# Altium PCB PROC106B.PcbDoc (part 2 of 8) (continued)
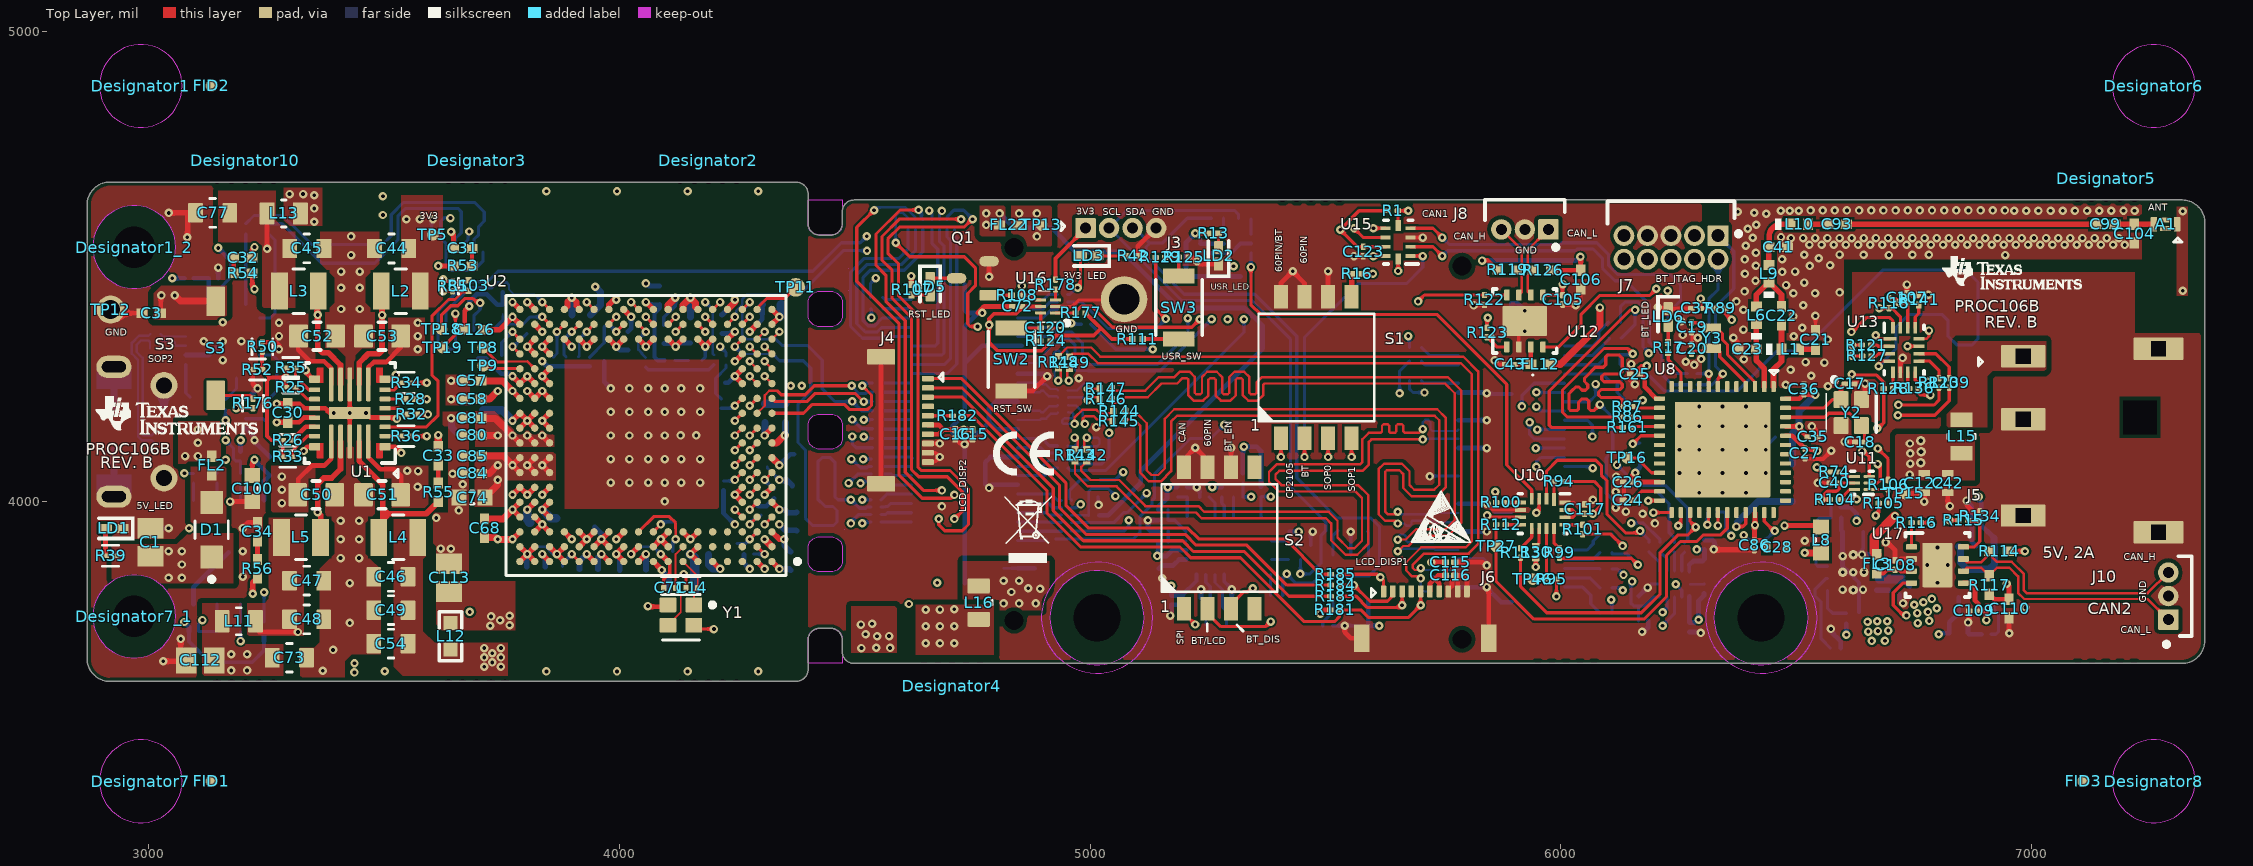
[diagram p0: Top Layer view]
## Footprints (in the part's own frame and the unit in brackets; to place one, negate y for a bottom-side part, rotate by r counter-clockwise, add the part's x,y. Pads: shape width x height; smd on the part's side, far side on the other; paste and mask are expansions set on the pad) (continued)
  body extent -20,-10 20,10, height 16
FP-CX2016DB48000C0WPLA2_SMD4-MFG [mm]
  rrect13% 0.9x0.8 smd paste+0 mask+0: 1(-0.7,-0.55) 2(0.7,-0.55) 3(0.7,0.55) 4(-0.7,0.55)
  silkscreen extent -1.9,-1.35 1.05,1.35, body extent -1.25,-1.05 1.25,1.05, height 0.25
FP-ERA-1AEB103C_0201-IPC_C [mil]
  rrect38% 13.94x10.34 smd paste+0 mask+0: 1(-10.01,0) 2(10.01,0)
  silkscreen extent -17,-22 17,22, body extent -12,-6 12,6, height 10
FP-ERJ-1GNF33R2C_0201-IPC_C [mil]
  rrect38% 13.94x10.34 smd paste+0 mask+0: 1(-10.01,0) 2(10.01,0)
  silkscreen extent -17,-22 17,22, body extent -12,-6 12,6, height 10
FP-ERJ-1GNF1003C_0201-IPC_C [mil]
  rrect38% 13.94x10.34 smd paste+0 mask+0: 1(-10.01,0) 2(10.01,0)
  silkscreen extent -17,-22 17,22, body extent -12,-6 12,6, height 10
FP-ERJ-1GNF1961C_0201-IPC_C [mil]
  rrect38% 13.94x10.34 smd paste+0 mask+0: 1(-10.01,0) 2(10.01,0)
  silkscreen extent -17,-22 17,22, body extent -21,-10 21,10, height 10
FP-ERJ-1GNF4701C_0201-IPC_C [mil]
  rrect38% 13.94x10.34 smd paste+0 mask+0: 1(-10.01,0) 2(10.01,0)
  body extent -12,-6 12,6, height 10
FP-ERJ-1GNF4991C_0201-IPC_C [mil]
  rrect38% 13.94x10.34 smd paste+0 mask+0: 1(-10.01,0) 2(10.01,0)
  silkscreen extent -17,-22 17,12, body extent -21,-10 21,10, height 10
FP-ERJ-1GNF7871C_0201-IPC_C [mil]
  rrect38% 13.94x10.34 smd paste+0 mask+0: 1(-10.01,0) 2(10.01,0)
  silkscreen extent -17,-12 17,12, body extent -12,-6 12,6, height 10
FP-ERJ-1GNF8252C_0201-IPC_C [mil]
  rrect38% 13.94x10.34 smd paste+0 mask+0: 1(-10.01,0) 2(10.01,0)
  silkscreen extent -17,-12 17,12, body extent -12,-6 12,6, height 10
FP-ERJ-1GNJ102C_0201-IPC_C [mil]
  rrect38% 13.94x10.34 smd paste+0 mask+0: 1(-10.01,0) 2(10.01,0)
  silkscreen extent -17,-22 17,22, body extent -21,-10 21,10, height 10
FP-ERJ-1GNJ221C_0201-IPC_C [mil]
  rrect38% 13.94x10.34 smd paste+0 mask+0: 1(-10.01,0) 2(10.01,0)
  silkscreen extent -17,-22 17,22, body extent -12,-6 12,6, height 10
FP-ERJ-1GNJ511C_0201-IPC_C [mil]
  rrect38% 13.94x10.34 smd paste+0 mask+0: 1(-10.01,0) 2(10.01,0)
  silkscreen extent -17,-22 17,22, body extent -21,-10 21,10, height 10
FP-ERJ-1GNJ751C_0201-IPC_C [mil]
  rrect38% 13.94x10.34 smd paste+0 mask+0: 1(-10.01,0) 2(10.01,0)
  silkscreen extent -17,-12 17,12, body extent -12,-6 12,6, height 10
FP-EXB-18VR000X_0502-MFG [mm]
  rrect57% 0.175x0.3 smd paste+0 mask+0: 1(-0.6,-0.275) 2(-0.2,-0.275) 3(0.2,-0.275) 4(0.6,-0.275) 5(0.6,0.275) 6(0.2,0.275) 7(-0.2,0.275) 8(-0.6,0.275)
  body extent -0.7,-0.3 0.7,0.3, height 0.45
FP-FW4000044Q_4-SMD-2.0x1.6mm-MFG [mm]
  rrect13% 0.9x0.8 smd paste+0 mask+0: 1(-0.7,-0.55) 2(0.7,-0.55) 3(0.7,0.55) 4(-0.7,0.55)
  silkscreen extent -1.83,-1.1 1,1.35, body extent -1.25,-1.05 1.25,1.05, height 0.25
"FP-GRM033R6YA104KE14D_0201 (0603 Metric)-IPC_C" [mil]
  rrect38% 13.94x10.34 smd paste+0 mask+0: 1(-10.01,0) 2(10.01,0)
  body extent -12,-6 12,6, height 13
"FP-GRM0335C1H8R0BA01D_0201 (0603 metric)-IPC_C" [mil]
  rrect38% 13.94x10.34 smd paste+0 mask+0: 1(-10.01,0) 2(10.01,0)
  body extent -21,-10 21,10, height 10
FP-GRPB052MWCN-RC_HDR10-MFG [mm]
  rrect9% 1.12x1.12 hole 0.7 paste-1000 mask+0: 1(-2.54,1.15)
  round 1.12 hole 0.7 paste-1000 mask+0: 2(-2.54,2.42) 3(-1.27,1.15) 4(-1.27,2.42) 5(0,1.15) 6(0,2.42) 7(1.27,1.15) 8(1.27,2.42) 9(2.54,1.15) 10(2.54,2.42)
  silkscreen extent -3.77,-0.7 3.42,1.17, body extent -3.18,-3.5 3.18,2.62, height 3.4
FP-M50-3930342_HDR3-MFG [mm]
  rrect9% 1.1x1.1 hole 0.6 paste-1000 mask+0: 1(-1.27,1)
  round 1.1 hole 0.6 paste-1000 mask+0: 2(0,1) 3(1.27,1)
  silkscreen extent -2.15,-0.6 2.15,2.09, body extent -1.91,-4.5 1.91,1.2, height 2.3
FP-M50-3930442_HDR4-RECOMMENDED_LAND_PATTERN [mm]
  rrect9% 1.1x1.1 hole 0.6 paste-1000 mask+0: 1(-1.905,1)
  round 1.1 hole 0.6 paste-1000 mask+0: 2(-0.635,1) 3(0.635,1) 4(1.905,1)
  body extent -2.54,-4.5 2.54,1.2, height 2.3
FP-MPZ2012S101ATD25_0805-MFG [mm]
  rrect13% 0.8x1.2 smd paste+0 mask+0: 1(-0.9,0) 2(0.9,0)
  silkscreen extent -0.13,-0.72 0.13,0.72, body extent -1.4,-0.82 1.4,0.82, height 0.25
FP-NRVB230LSFT1G_SOD-123F-MFG [mm]
  rrect8% 1.25x1.22 smd paste+0 mask+0: 1(-1.475,0) 2(1.475,0)
  silkscreen extent -2.8,-0.9 0.48,0.9, body extent -2.2,-1 2.2,1, height 0.25
"FP-RC0201JR-070RL_0201 (0603 Metric)-IPC_C" [mil]
  rrect38% 13.94x10.34 smd paste+0 mask+0: 1(-10.01,0) 2(10.01,0)
  body extent -12,-6 12,6, height 10
"FP-RC0201JR-070RL_0201 (0603 METRIC)-IPC_C" [mil]
  rrect38% 13.94x10.34 smd paste+0 mask+0: 1(-10.01,0) 2(10.01,0)
  body extent -12,-6 12,6, height 10
"FP-RC0201JR-070RL_0201 (0603 Metric)-MFG" [mm]
  rrect29% 0.35x0.4 smd paste+0 mask+0: 1(-0.325,0) 2(0.325,0)
  body extent -0.3,-0.15 0.3,0.15, height 0.26
FP-RR0306P-103-D_0201-IPC_C#1 [mil]
  rrect37% 13.31x10.73 smd paste+0 mask+0: 1(-10.52,0) 2(10.52,0)
  body extent -12,-6 12,6, height 10
FP-RR0306P-103-D_0201-IPC_C#2 [mil]
  rrect38% 13.94x10.34 smd paste+0 mask+0: 1(-10.52,0)
  rrect37% 13.31x10.73 smd paste+0 mask+0: 2(10.52,0)
  body extent -12,-6 12,6, height 10
IND_LQG15H [mm] "MuRata"
  rect 0.55x0.6 smd: 1(-0.475,0) 2(0.475,0)
  silkscreen extent -1.3,-0.3 -0.95,0.3, body extent -0.52,-0.27 0.52,0.27, height 0.55
MHNP_2-5 [mil]
  round 95 hole 100 unplated mask+5.5: ""(0,0)
  Keep-Out Layer circle w1: c0,0 r100
MHNP_M2_PANHEAD_PHILLIPS [mil]
  round 83 hole 88 unplated mask+5.5: ""(0,0)
  Keep-Out Layer circle w1: c0,0 r88
RGZ0048A [mm] "VQFN-48"
  rrect42% 0.6x0.24 smd: 1(-3.4,2.75) 2(-3.4,2.25) 3(-3.4,1.75) 4(-3.4,1.25) 5(-3.4,0.75) 6(-3.4,0.25) 7(-3.4,-0.25) 8(-3.4,-0.75) 9(-3.4,-1.25) 10(-3.4,-1.75) 11(-3.4,-2.25) 12(-3.4,-2.75) 25(3.4,-2.75) 26(3.4,-2.25) 27(3.4,-1.75) 28(3.4,-1.25) 29(3.4,-0.75) 30(3.4,-0.25) 31(3.4,0.25) 32(3.4,0.75) 33(3.4,1.25) 34(3.4,1.75) 35(3.4,2.25) 36(3.4,2.75)
  rrect42% 0.24x0.6 smd: 13(-2.75,-3.4) 14(-2.25,-3.4) 15(-1.75,-3.4) 16(-1.25,-3.4) 17(-0.75,-3.4) 18(-0.25,-3.4) 19(0.25,-3.4) 20(0.75,-3.4) 21(1.25,-3.4) 22(1.75,-3.4) 23(2.25,-3.4) 24(2.75,-3.4) 37(2.75,3.4) 38(2.25,3.4) 39(1.75,3.4) 40(1.25,3.4) 41(0.75,3.4) 42(0.25,3.4) 43(-0.25,3.4) 44(-0.75,3.4) 45(-1.25,3.4) 46(-1.75,3.4) 47(-2.25,3.4) 48(-2.75,3.4)
  rrect2% 5.15x5.15 smd paste-2.6: 49(0,0)
  body extent -3.5,-3.5 3.5,3.5, height 1
RNF0026C [mm] "QFN, 26-Leads, Body 4x4.5mm, Pitch 0.5mm"
  rrect25% 0.6x0.4 smd paste-0.3: 1(-1.9,1.825) 8(-1.9,-1.825) 14(1.9,-1.825) 21(1.9,1.825)
  rrect40% 0.6x0.25 smd paste+0: 2(-1.9,1.25) 3(-1.9,0.75) 4(-1.9,0.25) 5(-1.9,-0.25) 6(-1.9,-0.75) 7(-1.9,-1.25) 15(1.9,-1.25) 16(1.9,-0.75) 17(1.9,-0.25) 18(1.9,0.25) 19(1.9,0.75) 20(1.9,1.25)
  rrect40% 0.25x1.82 smd paste-1: 9(-1,-1.54) 10(-0.5,-1.54) 11(0,-1.54) 12(0.5,-1.54) 13(1,-1.54) 22(1,1.54) 23(0.5,1.54) 24(0,1.54) 25(-0.5,1.54) 26(-1,1.54)
  rrect15% 2.24x0.66 smd paste-1: 27(0,0)
  rrect33% 0.6x0.3 on Top Paste: ""(-1.9,1.775) ""(-1.9,-1.775) ""(1.9,1.775) ""(1.9,-1.775)
  rrect33% 0.3x0.825 on Top Paste: ""(-1.575,2.037) ""(-1.575,-2.037) ""(1.575,2.037) ""(1.575,-2.037)
  rrect40% 0.25x0.81 on Top Paste: ""(-1,1.035) ""(-1,2.045) ""(-1,-2.045) ""(-1,-1.035) ""(-0.5,2.045) ""(-0.5,1.035) ""(-0.5,-1.035) ""(-0.5,-2.045) ""(0,2.045) ""(0,1.035) ""(0,-1.035) ""(0,-2.045) ""(0.5,2.045) ""(0.5,1.035) ""(0.5,-1.035) ""(0.5,-2.045) ""(1,1.035) ""(1,2.045) ""(1,-2.045) ""(1,-1.035)
  rrect15% 0.98x0.66 on Top Paste: ""(-0.59,0) ""(0.59,0)
  Top Layer region: -1.775,1.675 -1.775,2.4 -1.771,2.419 -1.76,2.435 -1.744,2.446 -1.725,2.45 -1.725,2.45 -1.475,2.45 -1.456,2.446 -1.44,2.435 -1.429,2.419 -1.425,2.4 -1.425,2.4 -1.425,1.675 -1.429,1.656 -1.44,1.64 -1.456,1.629 -1.475,1.625 -1.475,1.625 -1.725,1.625 -1.744,1.629 -1.76,1.64 -1.771,1.656 -1.775,1.675
  Top Layer region: 1.425,1.675 1.425,2.4 1.429,2.419 1.44,2.435 1.456,2.446 1.475,2.45 1.475,2.45 1.725,2.45 1.744,2.446 1.76,2.435 1.771,2.419 1.775,2.4 1.775,2.4 1.775,1.675 1.771,1.656 1.76,1.64 1.744,1.629 1.725,1.625 1.725,1.625 1.475,1.625 1.456,1.629 1.44,1.64 1.429,1.656 1.425,1.675
  Top Layer region: 1.425,-2.4 1.425,-1.675 1.429,-1.656 1.44,-1.64 1.456,-1.629 1.475,-1.625 1.475,-1.625 1.725,-1.625 1.744,-1.629 1.76,-1.64 1.771,-1.656 1.775,-1.675 1.775,-1.675 1.775,-2.4 1.771,-2.419 1.76,-2.435 1.744,-2.446 1.725,-2.45 1.725,-2.45 1.475,-2.45 1.456,-2.446 1.44,-2.435 1.429,-2.419 1.425,-2.4
  Top Layer region: -1.775,-2.4 -1.775,-1.675 -1.771,-1.656 -1.76,-1.64 -1.744,-1.629 -1.725,-1.625 -1.725,-1.625 -1.475,-1.625 -1.456,-1.629 -1.44,-1.64 -1.429,-1.656 -1.425,-1.675 -1.425,-1.675 -1.425,-2.4 -1.429,-2.419 -1.44,-2.435 -1.456,-2.446 -1.475,-2.45 -1.475,-2.45 -1.725,-2.45 -1.744,-2.446 -1.76,-2.435 -1.771,-2.419 -1.775,-2.4
  silkscreen extent -2.45,-2.7 2.45,2.7, body extent -2,-2.25 2,2.25, height 0.9
RSE0010A [mm] "QFN, 10-Leads, Body 1.5x2mm, Pitch 0.5mm, TI Recommended"
  rect 0.55x0.2 smd: 1(-0.675,0.75) 2(-0.675,0.25) 3(-0.675,-0.25) 4(-0.675,-0.75) 6(0.675,-0.75) 7(0.675,-0.25) 8(0.675,0.25) 9(0.675,0.75)
  rect 0.3x0.6 smd: 5(0,-0.9) 10(0,0.9)
  silkscreen extent -1.07,-1.17 0.77,1.18, body extent -0.77,-1.02 0.78,1.03, height 0.61
RSV0016A [mm] "QFN, 16-Leads, Body 1.8x2.6mm, Pitch 0.4mm, TI Recommended"
  rect 0.7x0.2 smd: 1(-0.75,0.6)
  rect 0.6x0.2 smd: 2(-0.8,0.2) 3(-0.8,-0.2) 4(-0.8,-0.6) 9(0.8,-0.6) 10(0.8,-0.2) 11(0.8,0.2) 12(0.8,0.6)
  rect 0.2x0.6 smd: 5(-0.6,-1.2) 6(-0.2,-1.2) 7(0.2,-1.2) 8(0.6,-1.2) 13(0.6,1.2) 14(0.2,1.2) 15(-0.2,1.2) 16(-0.6,1.2)
  silkscreen extent -1.08,-1.33 1.08,1.45, body extent -0.92,-1.32 0.92,1.33, height 0.56
RUT0012A [mm] "QFN, 12-Leads, Body 1.7x2mm, Pitch 0.4mm, TI Recommended"
  rrect50% 0.7x0.2 smd: 1(-0.7,0.8) 2(-0.7,0.4) 3(-0.7,0) 4(-0.7,-0.4) 5(-0.7,-0.8) 7(0.7,-0.8) 8(0.7,-0.4) 9(0.7,0) 10(0.7,0.4) 11(0.7,0.8)
  rrect50% 0.2x0.7 smd: 6(0,-0.85) 12(0,0.85)
  silkscreen extent -0.9,-1.2 0.9,1.2, body extent -0.85,-1 0.85,1, height 0.55
Samtec_QSH-030-01-X-D-A [mm] "Receptacle, 0.5 mm, 30x2, TH"
  rect 2.27x0.279 smd: 1(-2.865,7.25) 2(2.865,7.25) 3(-2.865,6.75) 4(2.865,6.75) 5(-2.865,6.25) 6(2.865,6.25) 7(-2.865,5.75) 8(2.865,5.75) 9(-2.865,5.25) 10(2.865,5.25) 11(-2.865,4.75) 12(2.865,4.75) 13(-2.865,4.25) 14(2.865,4.25) 15(-2.865,3.75) 16(2.865,3.75) 17(-2.865,3.25) 18(2.865,3.25) 19(-2.865,2.75) 20(2.865,2.75) 21(-2.865,2.25) 22(2.865,2.25) 23(-2.865,1.75) 24(2.865,1.75) 25(-2.865,1.25) 26(2.865,1.25) 27(-2.865,0.75) 28(2.865,0.75) 29(-2.865,0.25) 30(2.865,0.25) 31(-2.865,-0.25) 32(2.865,-0.25) 33(-2.865,-0.75) 34(2.865,-0.75) 35(-2.865,-1.25) 36(2.865,-1.25) 37(-2.865,-1.75) 38(2.865,-1.75) 39(-2.865,-2.25) 40(2.865,-2.25) 41(-2.865,-2.75) 42(2.865,-2.75) 43(-2.865,-3.25) 44(2.865,-3.25) 45(-2.865,-3.75) 46(2.865,-3.75) 47(-2.865,-4.25) 48(2.865,-4.25) 49(-2.865,-4.75) 50(2.865,-4.75) 51(-2.865,-5.25) 52(2.865,-5.25) 53(-2.865,-5.75) 54(2.865,-5.75) 55(-2.865,-6.25) 56(2.865,-6.25) 57(-2.865,-6.75) 58(2.865,-6.75) 59(-2.865,-7.25) 60(2.865,-7.25)
  round 0 hole 1.02 unplated: MH1(2.67,10.065) MH2(2.67,-10.065)
  rect 0.43x2.54 smd: MP1(0,8.065) MP4(0,-8.065)
  rect 0.43x4.7 smd: MP2(0,3.175) MP3(0,-3.175)
  silkscreen extent -3.9,-10.66 3.62,10.66, body extent -3.75,-10.64 3.75,10.67, height 3.25
SW_218-4LPST [mil] "CTS Components"
  rect 50x30 smd: 1(-150,75) 2(-150,25) 3(-150,-25) 4(-150,-75) 5(150,-75) 6(150,-25) 7(150,25) 8(150,75)
  silkscreen extent -114,-123 114,123, body extent -166,-123 166,123, height 104
SW_B3U-1000P [mm] "OMRON"
  rect 0.8x1.7 smd: 1(-1.7,0) 2(1.7,0)
  silkscreen extent -1.5,-1.25 1.5,1.25, body extent -1.5,-1.25 1.5,1.25, height 1.75
TP_25MIL-SMT [mil]
  round 25 smd mask-2.5: 1(0,0)
TP_SM_1MM [mm] "1mm Test Point, SMT"
  round 1 smd paste-0.5: 1(0,0)
TP_VIA_060RND040 [mil] "TP_VIA_060RND040"
  round 60 hole 40: 1(0,0)
WSON-8L_6x5MM_EP [mm] "SMD, 8-Leads, Body 6x5mm, Pitch 1.27mm"
  rrect25% 0.8x0.4 smd: 1(-2.8,1.905) 2(-2.8,0.635) 3(-2.8,-0.635) 4(-2.8,-1.905) 5(2.8,-1.905) 6(2.8,-0.635) 7(2.8,0.635) 8(2.8,1.905)
  rrect3% 3.4x4 smd paste-3: 9(0,0)
  rrect50% 1.468x1.698 on Bottom Paste: ""(-0.834,-0.949) ""(-0.834,0.949) ""(0.834,-0.949) ""(0.834,0.949)
  silkscreen extent -3.2,-2.7 3.2,2.7, body extent -3.05,-2.55 3.05,2.55, height 0.8

## Part data
A1: library part CMP-0087189-1, "RF ANT 2.4GHZ CHIP SOLDER SMD", Manufacturer="TDK Corporation", PackageReference=SMT_ANT, PartNumber=ANT016008LCS2442MA2, RoHS=TRUE, SizeZ_mm=0.4mm, Symbol Name=SYM-ANT016008LCS2442MA2
C1 C4 C50 C51 C52 C53 C55 C59 C62 C65 C70 C76 C78 C82 C112 C113 C121: library part CMP-0008017-2, "CAP, CERM, 10 uF, 10 V, +/- 10%, X7R, 0805", Cap_Case=0805, Manufacturer=MuRata, Supplier Part Number 1=490-10674-1-ND, TempCo=X7R, Tolerance_%=10%, Value1=Unknown, Value2=10V, ValueDisplayed=10uF, AEC Category=Q200, AEC Qualified=?, Cap_F=10µF, ComponentLink1Description="Datasheet link", ComponentLink1URL=http://www.murata.com/products/catalog/pdf/c03e.pdf, CompType=Capacitor, LatestRevisionDate=2017-03-09, MountType=SMT, PackageReference=0805, PartNumber=GCM21BR71A106KE22L, Polarized=N, Published=2008-06-19, Publisher="Texas Instruments", RoHS=Y, SizeArea_mm2=2.5, SizeAreaWB_mm2=6.75, SizeX_mm=2, SizeY_mm=1.25, SizeZ_mm=1.45, Supplier 1=Digi-Key, Supplier 2=Newark, Supplier 3=Mouser, Supplier Part Number 2=06AC6014, Supplier Part Number 3=81-GCM21BR71A106KE2L, TaMax_C=125°C, TaMin_C=-55°C, Technology=Ceramic, U/M=EA, VDC_V=10V
C2 C3 C91 C92 C101 C126 C130: library part CMP-0006351-2, "CAP, CERM, 0.1 uF, 16 V, +/- 10%, X7R, 0402", Cap_Case=0402, Manufacturer=MuRata, Supplier Part Number 1=490-4759-2-ND, TempCo=X7R, Tolerance_%=10%, Value1=Unknown, Value2=16V, ValueDisplayed=0.1uF, AEC Category=Q200, AEC Qualified=?, Cap_F=100nF, ComponentLink1Description="Datasheet link", ComponentLink1URL=http://psearch.murata.com/capacitor/product/GCM155R71C104KA55%23.pdf, CompType=Capacitor, LatestRevisionDate=2017-03-09, MountType=SMT, PackageReference=0402, PartNumber=GCM155R71C104KA55D, Polarized=N, Published=2008-06-19, Publisher="Texas Instruments", RoHS=Y, SizeArea_mm2=0.5, SizeAreaWB_mm2=3, SizeX_mm=1, SizeY_mm=0.5, SizeZ_mm=0.6, Supplier 1=Digi-Key, TaMax_C=125°C, TaMin_C=-55°C, Technology=Ceramic, U/M=EA, VDC_V=16V
C5 C11 C15 C16 C24 C115 C116 C129: library part CMP-0086446-1, "1µF ±20% 16V Ceramic Capacitor X5R 0201", Manufacturer="Samsung Electro-Mechanics", TempCo=15%, Tolerance_%=20%, AEC Qualified=No, Cap_F=1µF, ComponentLink1Description=Datasheet, ComponentLink1URL=http://www.samsungsem.com/global/front/downloadcms.do?path=%2F%2Fglobal%2F%2Fsupport%2F%2Fproduct-search%2F%2Fmlcc%2F%2F__icsFiles%2F%2Fafieldfile%2F%2F2018%2F%2F06%2F%2F21&fileName=CL03A105MO3NRNH.pdf, PackageReference=0201, PartNumber=CL03A105MO3NRNH, RoHS=TRUE, SizeZ_mm=0.39mm, Symbol Name=SYM-CL03A105MO3NRNH, VDC_V=16V
C6 C9 C10 C12 C13 C25 C26 C27 C35 C36 C37 C40 C43 C72 C86 C105 C107 C108 C109 C114 C117 C118 C119 C120 C123 C127 C128: library part CMP-0086440-1, "Cap Ceramic 0.1uF 35V X5R 10% Pad SMD 0201 85C T/R", Manufacturer="Murata Electronics North America", TempCo=15%, Tolerance_%=10%, AEC Qualified=No, Cap_F=100nF, ComponentLink1Description=Datasheet, ComponentLink1URL=https://search.murata.co.jp/Ceramy/image/img/A01X/G101/ENG/GRM033R6YA104KE14-01.pdf, PackageReference="0201 (0603 Metric)", PartNumber=GRM033R6YA104KE14D, RoHS=TRUE, SizeZ_mm=0.33mm, Symbol Name=SYM-GRM033R6YA104KE14D, VDC_V=35V
C7 C42 C122: library part CMP-0006339-4, "CAP, CERM, 10 uF, 10 V, +/- 20%, X5R, 0402", Cap_Case=0402, Manufacturer="Samsung Electro-Mechanics", TempCo=X5R, Tolerance_%=20%, Value1=Unknown, Value2=10V, ValueDisplayed=10uF, AEC Category=Q200, AEC Grade=N/A, AEC Qualified=N, Cap_F=10µF, ComponentLink1Description="Datasheet link", ComponentLink1URL=http://www.samsungsem.com/kr/support/product-search/mlcc/__icsFiles/afieldfile/2018/06/21/CL05A106MP5NUNC.pdf, CompType=Capacitor, MountType=SMT, PackageReference=0402, PartNumber=CL05A106MP5NUNC, Polarized=N, RoHS=Y, SizeArea_mm2=0.5, SizeAreaWB_mm2=3, SizeX_mm=1, SizeY_mm=0.5, SizeZ_mm=0.6, TaMax_C=85°C, TaMin_C=-55°C, Technology=Ceramic, U/M=EA, VDC_V=10V
C8 C125: library part CMP-0086445-1, "CAP CER 10000PF 25V X5R 0201", Manufacturer="Samsung Electro-Mechanics America, Inc", TempCo=15%, Tolerance_%=10%, AEC Qualified=No, Cap_F=10nF, ComponentLink1Description=Datasheet, ComponentLink1URL=http://www.samsungsem.com/global/front/downloadcms.do?path=%2F%2Fglobal%2F%2Fsupport%2F%2Fproduct-search%2F%2Fmlcc%2F%2F__icsFiles%2F%2Fafieldfile%2F%2F2018%2F%2F06%2F%2F19&fileName=CL03A103KA3NNNC.pdf, PackageReference=0201, PartNumber=CL03A103KA3NNNC, RoHS=TRUE, SizeZ_mm=0.33mm, Symbol Name=SYM-CL03A103KA3NNNC, VDC_V=25V
C14 C71: library part CMP-0090493-1, "Cap Ceramic 4.7pF 50V C0G 0.25pF Pad SMD 0201 125°C Automotive T/R", Manufacturer=TDK, Operating Temperature Range="-55°C to +125°C", TempCo=30ppm/°C, Temperature Characteristic=C0G, ValueDisplayed=4.7pF, AEC Grade="Grade 1", AEC Qualified=Yes, Cap_F=4.7pF, ComponentLink1Description=Datasheet, ComponentLink1URL=https://product.tdk.com/info/en/catalog/spec/mlccspec_automotive_general_en.pdf, DataSheet=https://product.tdk.com/info/en/catalog/spec/mlccspec_automotive_general_en.pdf, Datasheet Path=datasheets/Cap-CGA1A2C0G1H4R7C030BA.pdf, helpURL=https://upverter.com/upn/revision/6d92b1250c1f5160/, Lead Free=Yes, PackageReference=0201, Part Number=CGA1A2C0G1H4R7C030BA, PartNumber=CGA1A2C0G1H4R7C030BA, RoHS=TRUE, SizeZ_mm=0.4mm, VDC_V=50V
C17 C18: library part CMP-0086441-1, "Cap Ceramic 8pF 50V C0G 0.1pF SMD 0201 125°C Paper T/R", Manufacturer=Murata, TempCo=30ppm/°C, AEC Qualified=No, Cap_F=8pF, ComponentLink1Description=Datasheet, ComponentLink1URL=https://search.murata.co.jp/Ceramy/image/img/A01X/G101/ENG/GRM0335C1H8R0BA01-01A.pdf, PackageReference="0201 (0603 metric)", PartNumber=GRM0335C1H8R0BA01D, RoHS=TRUE, SizeZ_mm=0.33mm, Symbol Name=SYM-GRM0335C1H8R0BA01D, VDC_V=50V
C19 C20 C38 C39: library part CMP-0087190-1, "CAP CER 12PF 25V C0G/NP0 0201", Manufacturer="Johanson Technology Inc.", TempCo=30ppm/°C, Tolerance_%=5%, AEC Grade="Grade 1", AEC Qualified=Yes, Cap_F=12pF, ComponentLink1Description=Datasheet, ComponentLink1URL=https://www.johansontechnology.com/downloads/catalog/johanson-technology-multi-layer-high-q-capacitors.pdf, PackageReference=0201, PartNumber=250R05L120JV4T, RoHS=TRUE, SizeZ_mm=0.33mm, Symbol Name=SYM-250R05L120JV4T, VDC_V=25V
C21 C93: library part CMP-0006345-2, "CAP, CERM, 12 pF, 50 V, +/- 5%, C0G/NP0, 0402", Cap_Case=0402, Manufacturer="Samsung Electro-Mechanics", Supplier Part Number 1=1276-1178-1-ND, TempCo=C0G/NP0, Tolerance_%=5%, Value1=Unknown, Value2=50V, ValueDisplayed=12pF, AEC Category=Q200, AEC Grade=N/A, AEC Qualified=N, Cap_F=12pF, ComponentLink1Description="Datasheet link", ComponentLink1URL=http://www.samsungsem.com/servlet/FileDownload?type=spec&file=CL05C120JB5NNNC.pdf, CompType=Capacitor, LatestRevisionDate=2017-03-09, MountType=SMT, PackageReference=0402, PartNumber=CL05C120JB5NNNC, Polarized=N, Published=2008-06-19, Publisher="Texas Instruments", RoHS=Y, SizeArea_mm2=0.5, SizeAreaWB_mm2=3, SizeX_mm=1, SizeY_mm=0.5, SizeZ_mm=0.6, Supplier 1=Digi-Key, TaMax_C=125°C, TaMin_C=-55°C, Technology=Ceramic, U/M=EA, VDC_V=50V
C22 C23 C41: library part CMP-0085178-1, "CAP, CERM, 1 pF, 50 V,+/- 25%, C0G/NP0, AEC-Q200 Grade 1, 0402", Cap_Case=0402, Manufacturer=MuRata, TempCo=C0G/NP0, Tolerance_%=25%, Value2=50V, ValueDisplayed=1pF, AEC Category=Q200, AEC Grade=1, AEC Qualified=Y, Cap_F=1pF, ComponentLink1Description="Datasheet link", ComponentLink1URL=https://psearch.en.murata.com/capacitor/product/GCM1555C1H1R0CA16%23.html, CompType=Capacitor, MountType=SMT, PackageReference=0402, PartNumber=GCM1555C1H1R0CA16D, Polarized=N, RoHS=Y, SizeArea_mm2=0.5, SizeAreaWB_mm2=3, SizeX_mm=1, SizeY_mm=0.5, SizeZ_mm=0.6, TaMax_C=125°C, TaMin_C=-55°C, Technology=Ceramic, U/M=EA, VDC_V=50V
C28 C29: library part CMP-0089043-4, "CAP CER 22UF 6.3V X5R 0402", Manufacturer="Samsung Electro-Mechanics", TempCo=15%, Tolerance_%=20%, ValueDisplayed=22uF, AEC Qualified=No, Cap_F=22µF, ComponentLink1Description=Datasheet, ComponentLink1URL=http://www.samsungsem.com/kr/support/library/product-catalog/__icsFiles/afieldfile/2018/11/28/MLCC.pdf, PackageReference=0402, Part Number=CL05A226MQ5N6J8, PartNumber=CL05A226MQ5N6J8, RoHS=TRUE, SizeZ_mm=0.55mm, VDC_V=6.3V
C30 C56 C57 C58 C60 C61 C63 C64 C66 C67 C68 C80 C81 C84 C85 C87 C88 C94 C95 C96 C97 C98: library part CMP-0078265-1, "CAP, CERM, 0.22 µF, 16 V,+/- 10%, X7R, AEC-Q200 Grade 1, 0402", Cap_Case=0402, Manufacturer=MuRata, Supplier Part Number 1=490-10671-1-ND, TempCo=X7R, Tolerance_%=10%, Value2=16V, ValueDisplayed=0.22µF, AEC Category=Q200, AEC Grade=1, AEC Qualified=Y, Cap_F=220nF, ComponentLink1Description="Datasheet link", ComponentLink1URL=http://psearch.en.murata.com/capacitor/product/GCM155R71C224KE02%23.pdf, CompType=Capacitor, MountType=SMT, PackageReference=0402, PartNumber=GCM155R71C224KE02D, Polarized=N, RoHS=Y, SizeArea_mm2=0.5, SizeAreaWB_mm2=3, SizeX_mm=1, SizeY_mm=0.5, SizeZ_mm=0.6, Supplier 1=Digi-Key, Supplier 2=Mouser, Supplier Part Number 2=81-GCM155R71C224KE2D, TaMax_C=125°C, TaMin_C=-55°C, Technology=Ceramic, U/M=EA, VDC_V=16V
C31 C32 C33 C34: library part CMP-0085511-1, "CAP, CERM, 390 pF, 50 V,+/- 5%, C0G/NP0, AEC-Q200 Grade 1, 0402", Cap_Case=0402, Manufacturer=TDK, TempCo=C0G/NP0, Tolerance_%=5%, Value2=50V, ValueDisplayed=390pF, AEC Category=Q200, AEC Grade=1, AEC Qualified=Y, Cap_F=390pF, ComponentLink1Description="Datasheet link", ComponentLink1URL=https://product.tdk.com/en/search/capacitor/ceramic/mlcc/info?part_no=CGA2B2C0G1H391J050BA, CompType=Capacitor, MountType=SMT, PackageReference=0402, PartNumber=CGA2B2C0G1H391J050BA, Polarized=N, RoHS=Y, SizeArea_mm2=0.5, SizeAreaWB_mm2=3, SizeX_mm=1, SizeY_mm=0.5, SizeZ_mm=0.6, TaMax_C=125°C, TaMin_C=-55°C, Technology=Ceramic, U/M=EA, VDC_V=50V
C44 C45 C46 C47 C48 C49 C54 C73 C75 C77 C111 C124 C131: library part CMP-0091983-1, "22µF ±20% 6.3V Ceramic Capacitor X7T 0805 (2012 Metric)", Digikey Part Number=445-CGA4J1X7T0J226M125ACCT-ND, Manufacturer=TDK, Mouser Part Number=810-CGA4J1X7T0J226M1, Operating Temperature Range="-55°C to +125°C", TempCo=+22/-33%, Temperature Characteristic=X7T, Tolerance_%=20%, ValueDisplayed=22uF, AEC Grade="Grade 1", AEC Qualified=Yes, Cap_F=22µF, ComponentLink1Description=Datasheet, ComponentLink1URL=https://product.tdk.com/en/search/capacitor/ceramic/mlcc/info?part_no=CGA4J1X7T0J226M125AC, DataSheet=https://product.tdk.com/en/search/capacitor/ceramic/mlcc/info?part_no=CGA4J1X7T0J226M125AC, Datasheet Path=datasheets/Cap-CGA4J1X7T0J226M125AC.pdf, Digikey Description="AUTOMOTIVE GRADE,0805,X7T,6.3V,2", helpURL=https://upverter.com/upn/revision/46804438864a26f0/, Lead Free=Yes, PackageReference=0805, Part Number=CGA4J1X7T0J226M125AC, PartNumber=CGA4J1X7T0J226M125AC, RoHS=TRUE, SizeZ_mm=1.55mm, Supplier 1=Digikey, Supplier 2=Mouser, Supplier Part Number 1=445-CGA4J1X7T0J226M125ACCT-ND, Supplier Part Number 2=810-CGA4J1X7T0J226M1, VDC_V=6.3V
C69: library part CMP-0006330-2, "CAP, CERM, 0.047 uF, 50 V, +/- 10%, X7R, AEC-Q200 Grade 1, 0402", Cap_Case=0402, Manufacturer=TDK, Supplier Part Number 1=445-6897-1-ND, TempCo=X7R, Tolerance_%=10%, Value1="0.06407 ohm", Value2=50V, ValueDisplayed=0.047uF, AEC Category=Q200, AEC Grade=1, AEC Qualified=Y, Cap_F=47nF, ComponentLink1Description="Datasheet link", ComponentLink1URL=https://product.tdk.com/en/search/capacitor/ceramic/mlcc/info?part_no=CGA2B3X7R1H473K050BB, CompType=Capacitor, ESR_ohm=0.06407, IRMS_A=6.46122dA, LatestRevisionDate=2017-03-09, MountType=SMT, PackageReference=0402, PartNumber=CGA2B3X7R1H473K050BB, Polarized=N, Published=2008-06-19, Publisher="Texas Instruments", RoHS=Y, SizeArea_mm2=0.5, SizeAreaWB_mm2=3, SizeX_mm=1, SizeY_mm=0.5, SizeZ_mm=0.6, Supplier 1=Digi-Key, Supplier 2=Mouser, Supplier Part Number 2=810-CGA2B3X7R1H473K050BB, TaMax_C=125°C, TaMin_C=-55°C, Technology=Ceramic, U/M=EA, VDC_V=50V
C74 C79 C83 C102 C103: library part CMP-0007134-5, "CAP, CERM, 2.2 uF, 6.3 V, +/- 10%, X7R, AEC-Q200 Grade 1, 0603", Cap_Case=0603, Manufacturer=MuRata, Supplier Part Number 1=490-5316-1-ND, TempCo=X7R, Tolerance_%=10%, Value1=Unknown, Value2=6.3V, ValueDisplayed=2.2uF, AEC Category=Q200, AEC Grade=1, AEC Qualified=Y, Cap_F=2.2µF, ComponentLink1Description="Datasheet link", ComponentLink1URL=http://psearch.en.murata.com/capacitor/product/GCM188R70J225KE22%23.pdf, CompType=Capacitor, LatestRevisionDate=2017-03-09, MountType=SMT, PackageReference=0603, PartNumber=GCM188R70J225KE22D, Polarized=N, Published=2008-06-19, Publisher="Texas Instruments", RoHS=Y, SizeArea_mm2=1.28, SizeAreaWB_mm2=4.68, SizeX_mm=1.6, SizeY_mm=0.8, SizeZ_mm=1, Supplier 1=Digi-Key, Supplier 2=Mouser, Supplier Part Number 2=81-GCM188R70J225KE2D, TaMax_C=125°C, TaMin_C=-55°C, Technology=Ceramic, U/M=EA, VDC_V=6.3V
C89 C90 C100: library part CMP-0007136-5, "CAP, CERM, 1 uF, 16 V, +/- 10%, X7R, AEC-Q200 Grade 1, 0603", Cap_Case=0603, Manufacturer=MuRata, Supplier Part Number 1=490-5241-6-ND, TempCo=X7R, Tolerance_%=10%, Value1=Unknown, Value2=16V, ValueDisplayed=1uF, AEC Category=Q200, AEC Grade=1, AEC Qualified=Y, Cap_F=1µF, ComponentLink1Description="Datasheet link", ComponentLink1URL=http://psearch.en.murata.com/capacitor/product/GCM188R71C105KA64%23.pdf, CompType=Capacitor, LatestRevisionDate=2017-03-09, MountType=SMT, PackageReference=0603, PartNumber=GCM188R71C105KA64D, Polarized=N, Published=2008-06-19, Publisher="Texas Instruments", RoHS=Y, SizeArea_mm2=1.28, SizeAreaWB_mm2=4.68, SizeX_mm=1.6, SizeY_mm=0.8, SizeZ_mm=1, Supplier 1=Digi-Key, Supplier 2=Mouser, Supplier Part Number 2=81-GCM188R71C105K64D, TaMax_C=125°C, TaMin_C=-55°C, Technology=Ceramic, U/M=EA, VDC_V=16V